# Altium PCB PCB1.PcbDoc (part 1 of 3)
Units mm, origin at the board's own origin, x right, y up, seen from the top; angles counter-clockwise.
Board outline 129 x 105 mm, 2 copper layers (Top Layer, Bottom Layer); 225 components, 151 nets, 690 pads, 891 vias.
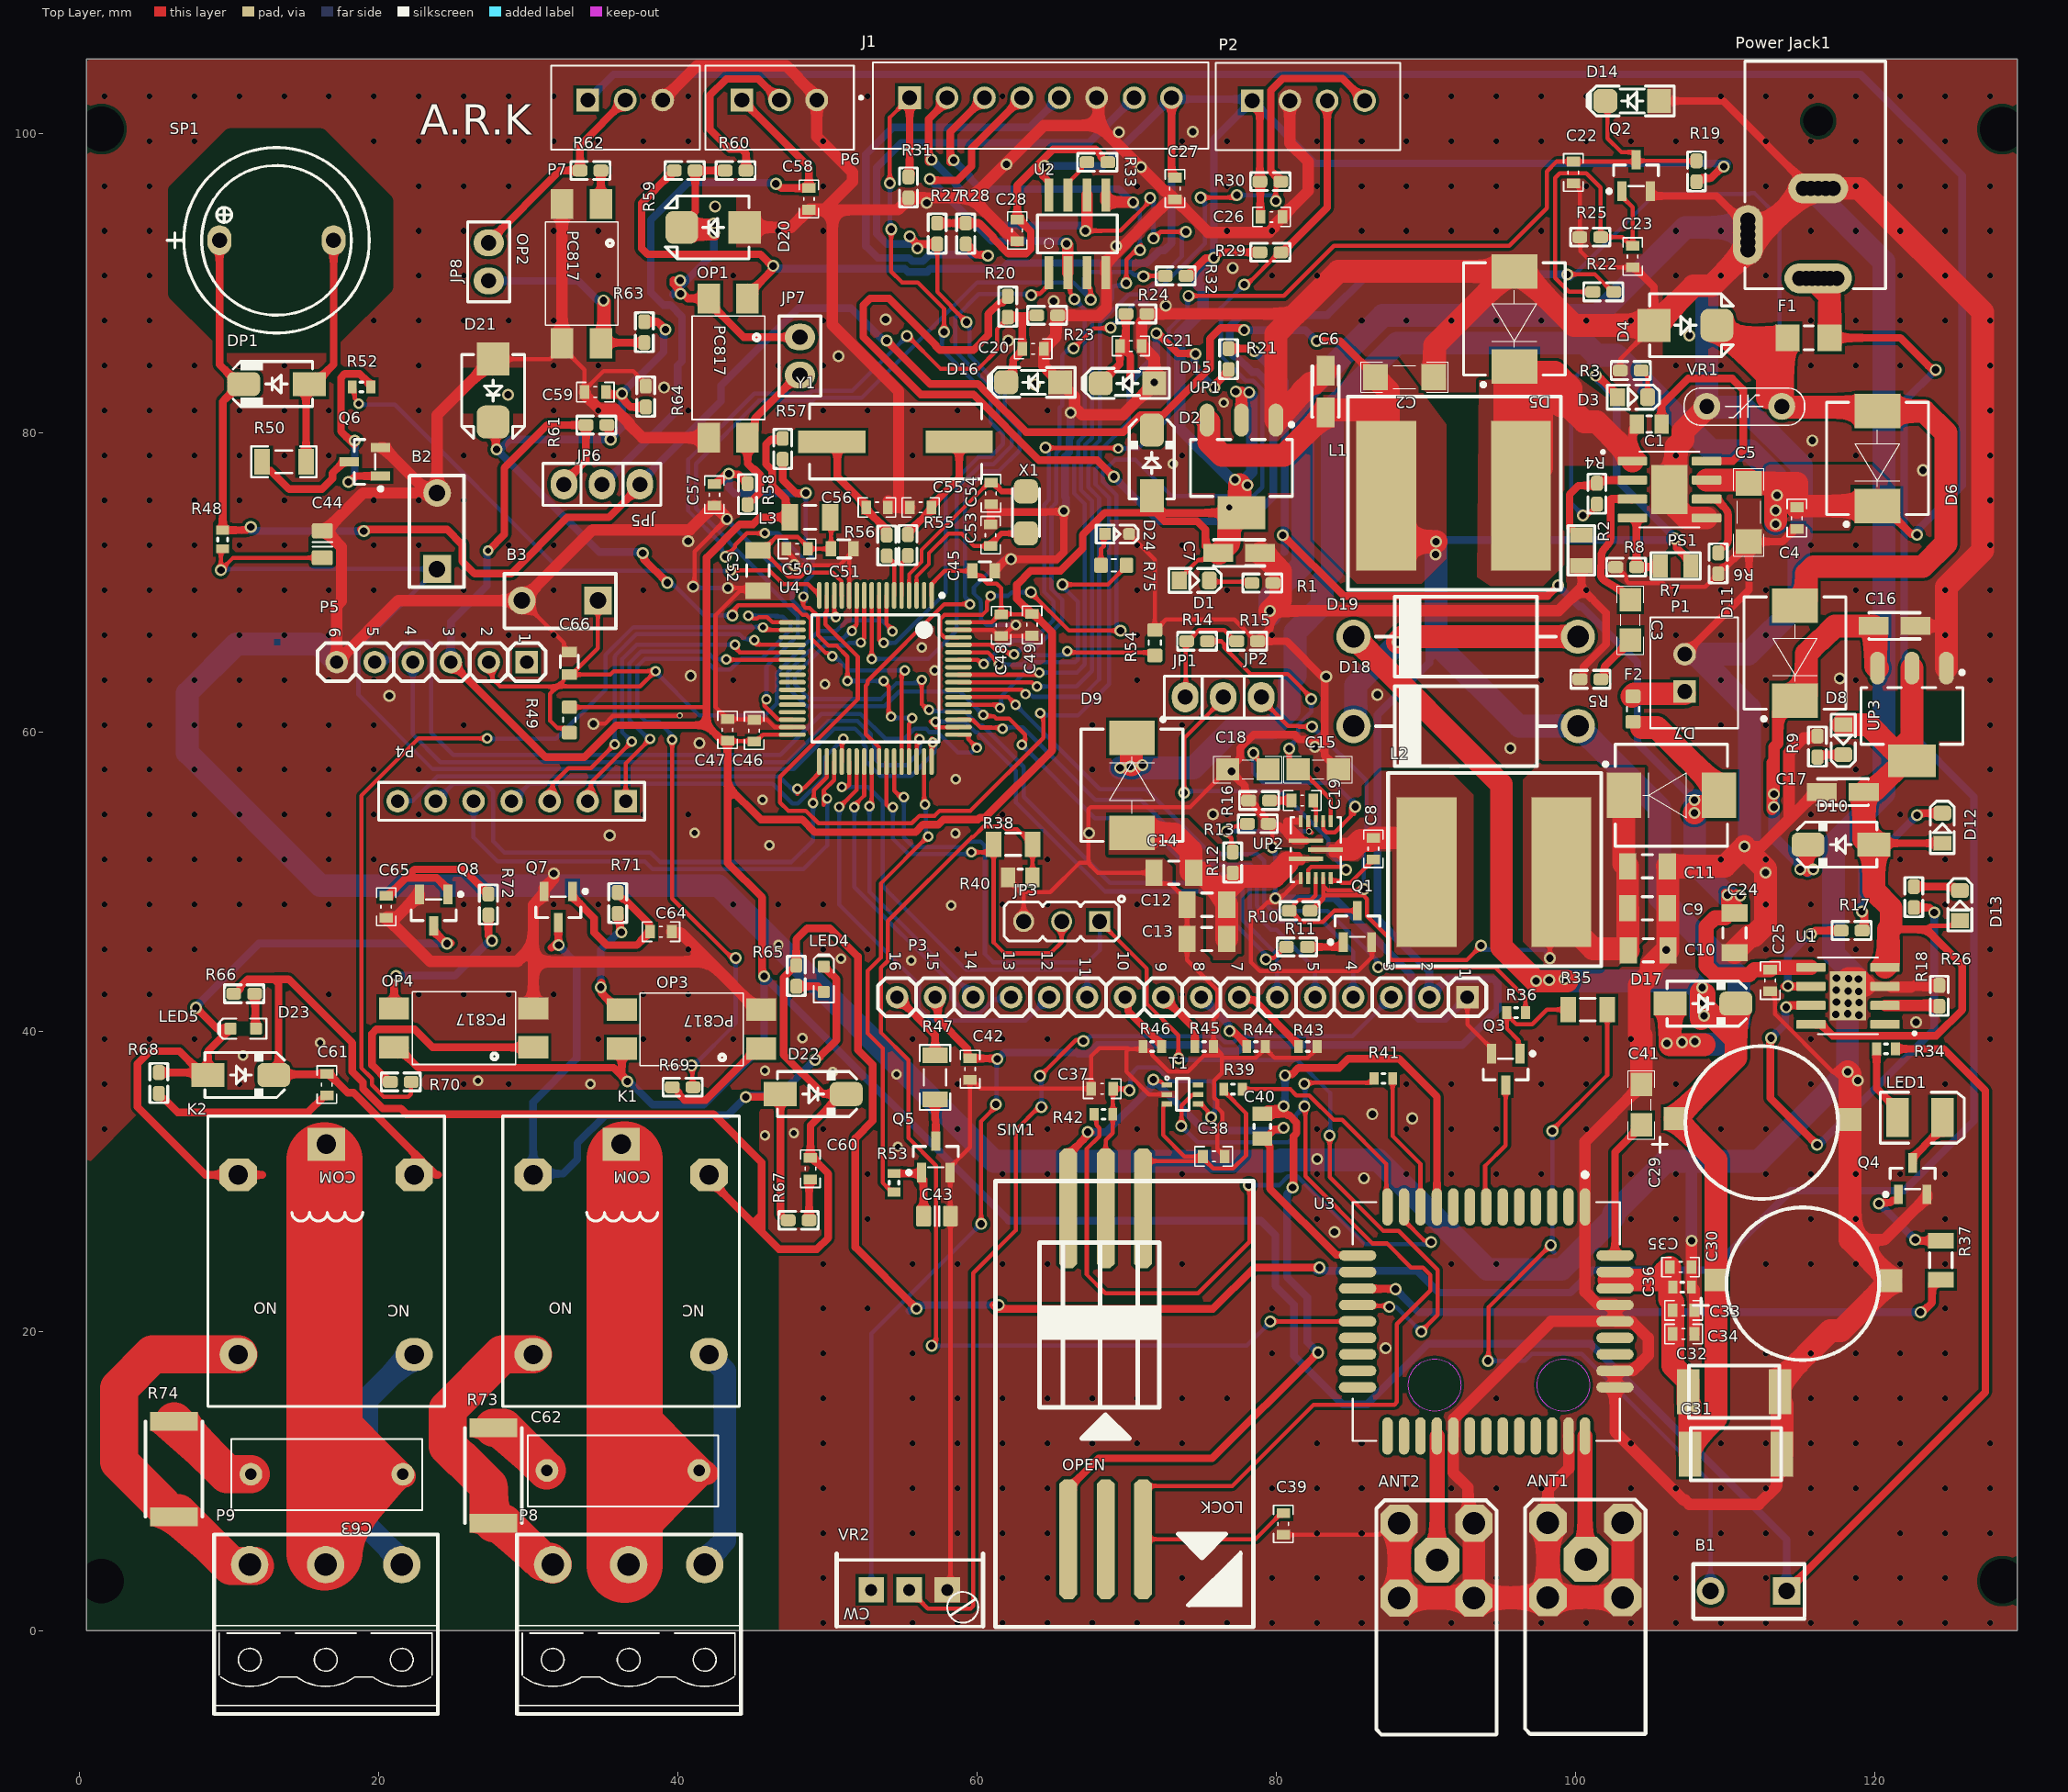
[diagram p0: Top Layer view]
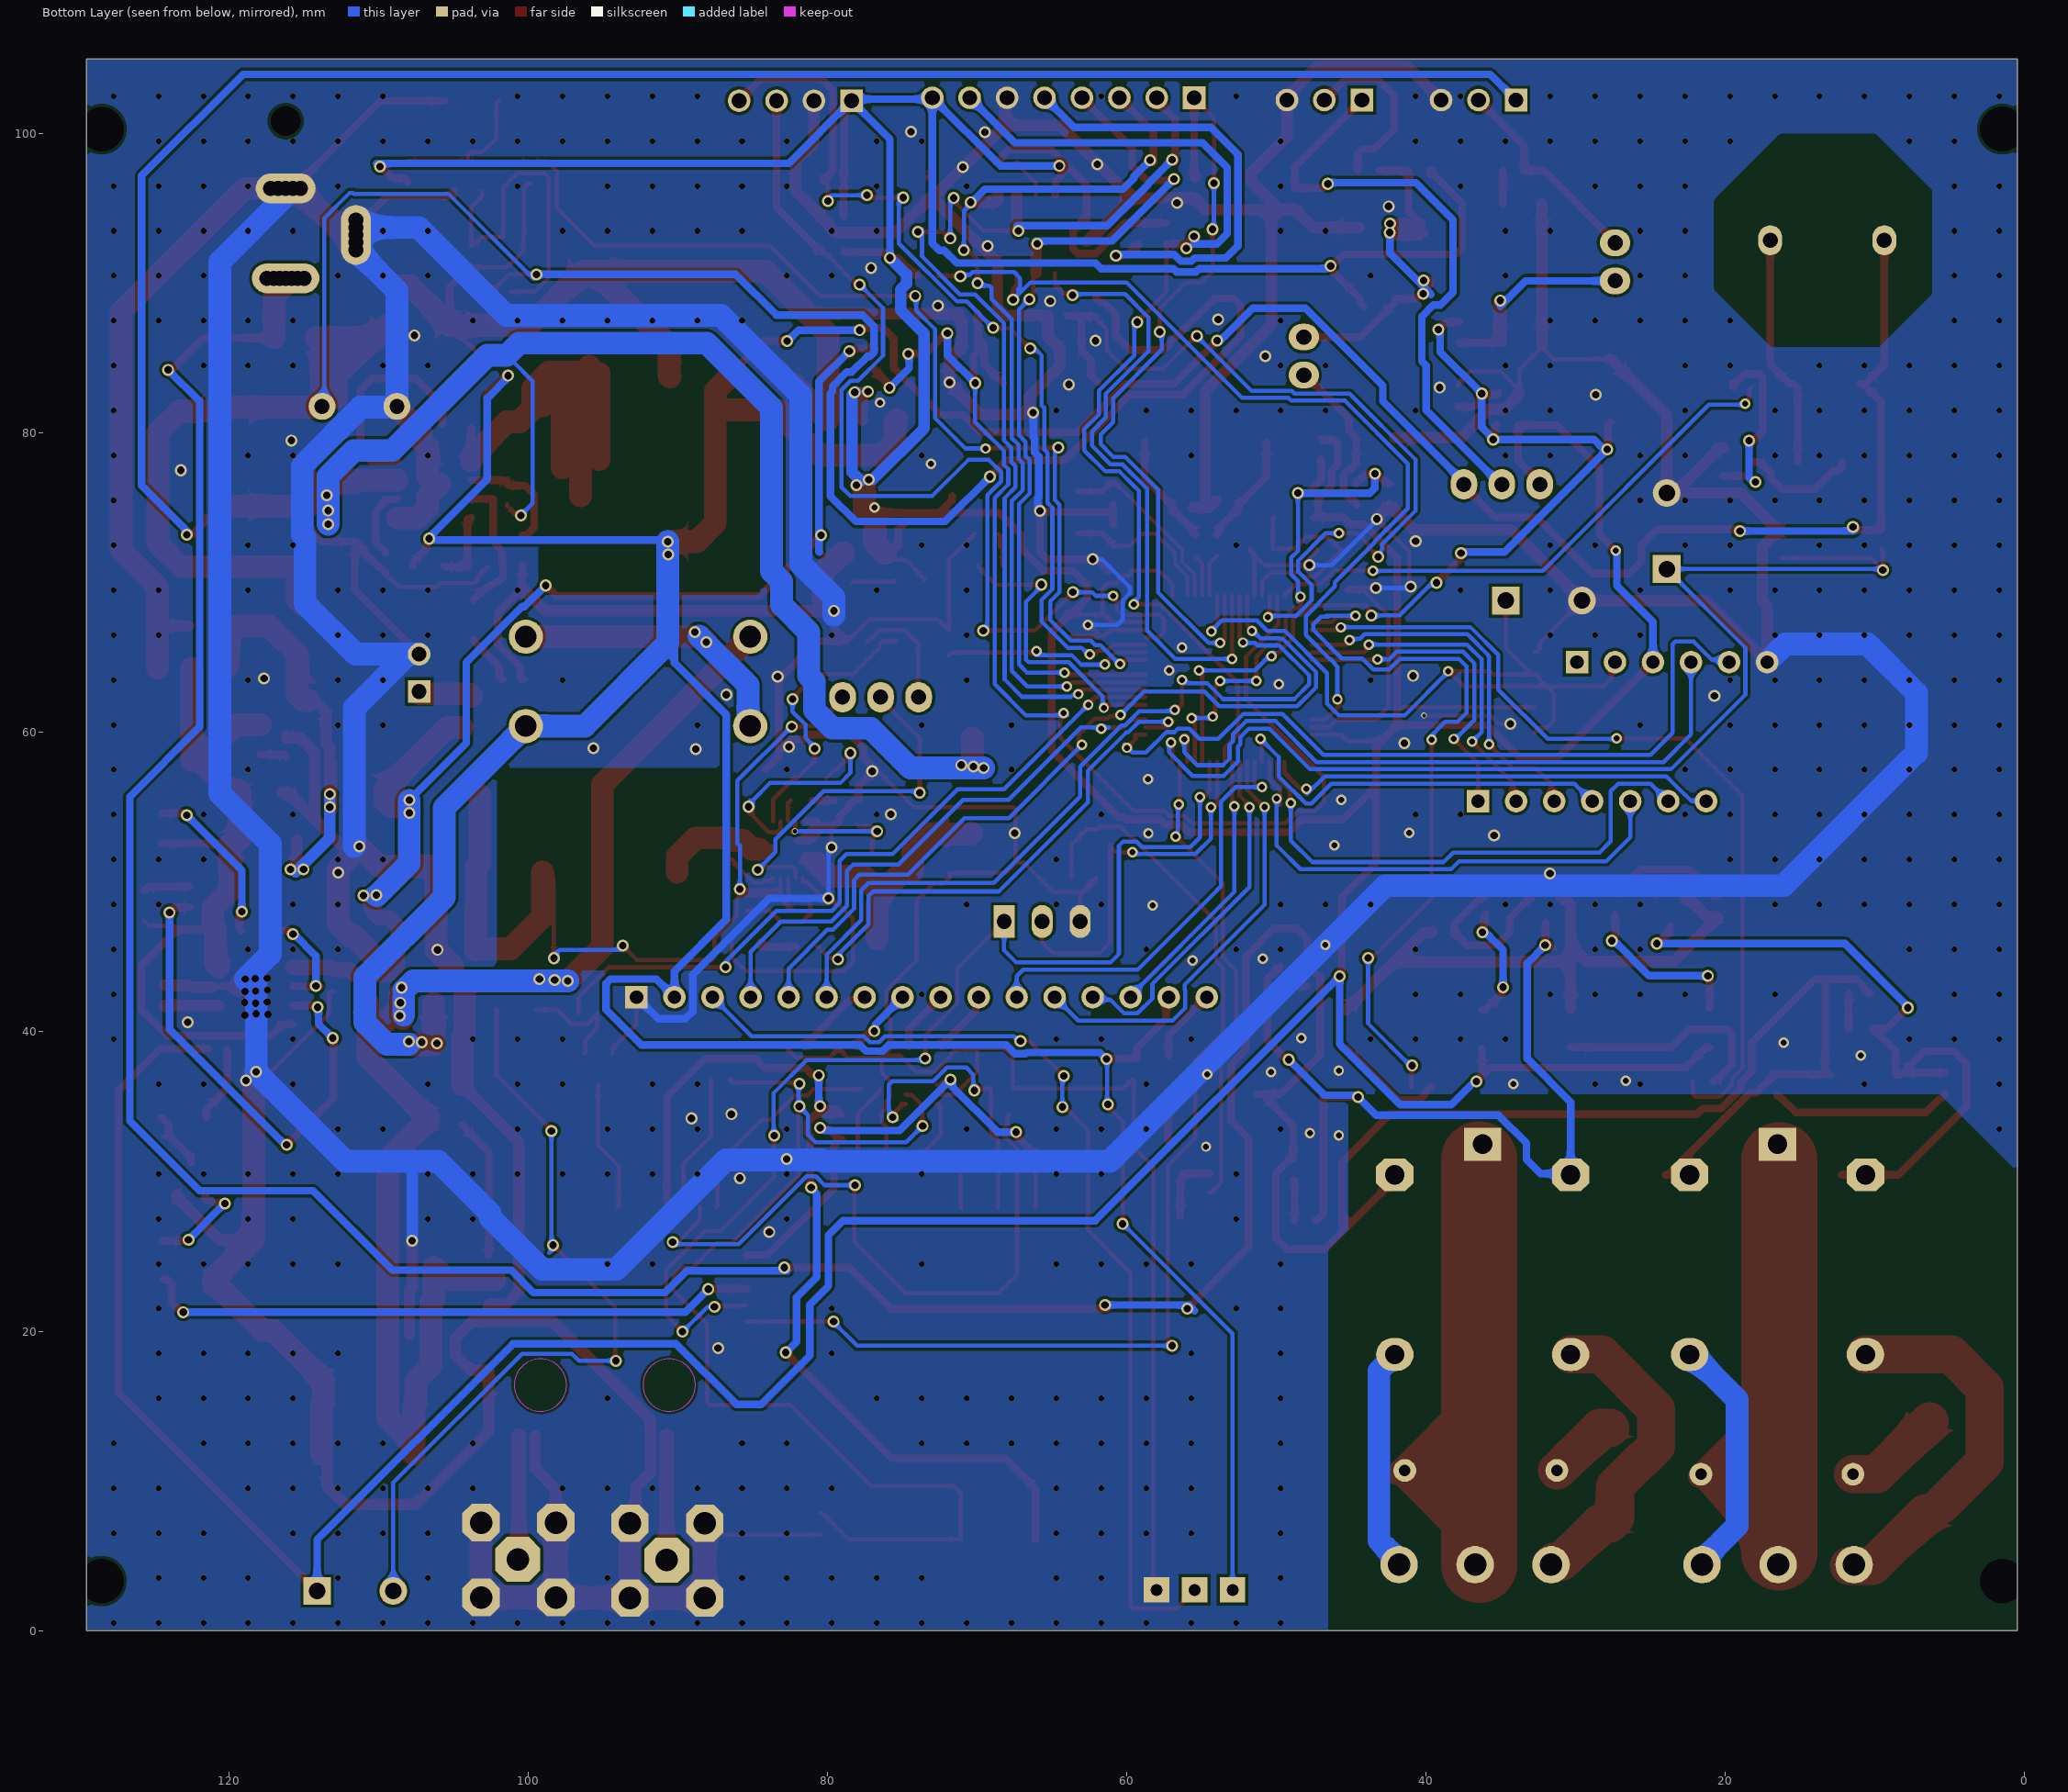
[diagram p1: Bottom Layer view, seen from below]

## Layer stack, top to bottom
Top Solder: solder mask 0.0102, Solder Resist, Dk 3.5
Top Layer: signal copper 0.0356
Dielectric 1: dielectric 0.32, FR-4, Dk 4.8
Bottom Layer: signal copper 0.0356
Bottom Solder: solder mask 0.0102, Solder Resist, Dk 3.5

## Board outline
0.5,0 0.5,105 129.5,105 129.5,0

## Design rules (kind name [scope] priority, off if disabled: settings)
Clearance [All] p1: gap=0.2 ignorepadtopadclearanceinfootprint=FALSE
DiffPairsRouting [All] p1: maxlimit=0.254 minlimit=0.254 mostfreqgap=0.254 toplayer_minwidth=0.381 toplayer_maxwidth=0.381 toplayer_prefwidth=0.381 bottomlayer_minwidth=0.381 bottomlayer_maxwidth=0.381 bottomlayer_prefwidth=0.381 maxuncoupledlength=12.7
PolygonConnect PolygonConnect_22 [All vs IsNamedPolygon('GND_L02_P013')] p1: connectstyle=Direct reliefconductorwidth=0.254 reliefentries=4 polygonreliefangle="90 Angle" airgapwidth=0.254
PolygonConnect PolygonConnect_21 [All vs IsNamedPolygon('GND_L01_P011')] p2: connectstyle=Direct reliefconductorwidth=0.254 reliefentries=4 polygonreliefangle="90 Angle" airgapwidth=0.254
PolygonConnect PolygonConnect_20 [All vs IsNamedPolygon('GND_L01_P012')] p3: connectstyle=Direct reliefconductorwidth=0.254 reliefentries=4 polygonreliefangle="90 Angle" airgapwidth=0.254
PolygonConnect PolygonConnect_19 [All vs IsNamedPolygon('GND_L01_P012')] p4: connectstyle=Direct reliefconductorwidth=0.254 reliefentries=4 polygonreliefangle="90 Angle" airgapwidth=0.254
PolygonConnect PolygonConnect_18 [All vs IsNamedPolygon('NETC12_2_L01_P008')] p5: connectstyle=Direct reliefconductorwidth=0.254 reliefentries=4 polygonreliefangle="90 Angle" airgapwidth=0.254
PolygonConnect PolygonConnect_17 [All vs IsNamedPolygon('NETC8_1_L01_P007')] p6: connectstyle=Direct reliefconductorwidth=0.254 reliefentries=4 polygonreliefangle="90 Angle" airgapwidth=0.254
PolygonConnect PolygonConnect_16 [All vs IsNamedPolygon('BOOST_IN_L01_P006')] p7: connectstyle=Direct reliefconductorwidth=0.254 reliefentries=4 polygonreliefangle="90 Angle" airgapwidth=0.254
PolygonConnect PolygonConnect_15 [All vs IsNamedPolygon('NETC1_2_L01_P002')] p8: connectstyle=Direct reliefconductorwidth=0.254 reliefentries=4 polygonreliefangle="90 Angle" airgapwidth=0.254
PolygonConnect PolygonConnect_14 [All vs IsNamedPolygon('+5V_SW_L01_P003')] p9: connectstyle=Direct reliefconductorwidth=0.254 reliefentries=4 polygonreliefangle="90 Angle" airgapwidth=0.254
PolygonConnect PolygonConnect_13 [All vs IsNamedPolygon('NETC1_2_L01_P002')] p10: connectstyle=Direct reliefconductorwidth=0.254 reliefentries=4 polygonreliefangle="90 Angle" airgapwidth=0.254
PolygonConnect PolygonConnect_12 [All vs IsNamedPolygon('GND_L01_P010')] p11: connectstyle=Direct reliefconductorwidth=0.254 reliefentries=4 polygonreliefangle="90 Angle" airgapwidth=0.254
PolygonConnect PolygonConnect_11 [All vs IsNamedPolygon('BOOST_IN_L02_P005')] p12: connectstyle=Direct reliefconductorwidth=0.254 reliefentries=4 polygonreliefangle="90 Angle" airgapwidth=0.254
PolygonConnect PolygonConnect_10 [All vs IsNamedPolygon('GND_L02_P009')] p13: connectstyle=Direct reliefconductorwidth=0.254 reliefentries=4 polygonreliefangle="90 Angle" airgapwidth=0.254
PolygonConnect PolygonConnect_9 [All vs IsNamedPolygon('NETC8_1_L01_P004')] p14: connectstyle=Direct reliefconductorwidth=0.254 reliefentries=4 polygonreliefangle="90 Angle" airgapwidth=0.254
PolygonConnect PolygonConnect_8 [All vs IsNamedPolygon('NETC8_1_L01_P004')] p15: connectstyle=Direct reliefconductorwidth=0.254 reliefentries=4 polygonreliefangle="90 Angle" airgapwidth=0.254
PolygonConnect PolygonConnect_7 [All vs IsNamedPolygon('BOOST_IN_L01_P003')] p16: connectstyle=Direct reliefconductorwidth=0.254 reliefentries=4 polygonreliefangle="90 Angle" airgapwidth=0.254
PolygonConnect PolygonConnect_6 [All vs IsNamedPolygon('+5V_SW_L01_P002')] p17: connectstyle=Direct reliefconductorwidth=0.254 reliefentries=4 polygonreliefangle="90 Angle" airgapwidth=0.254
PolygonConnect PolygonConnect_5 [All vs IsNamedPolygon('NETC1_2_L01_P001')] p18: connectstyle=Direct reliefconductorwidth=0.254 reliefentries=4 polygonreliefangle="90 Angle" airgapwidth=0.254
PolygonConnect PolygonConnect_4 [All vs IsNamedPolygon('Mechanical 13-No Net')] p19: connectstyle=Direct reliefconductorwidth=0.254 reliefentries=4 polygonreliefangle="90 Angle" airgapwidth=0.254
PolygonConnect PolygonConnect_3 [All vs IsNamedPolygon('Mechanical 13-No Net')] p20: connectstyle=Direct reliefconductorwidth=0.254 reliefentries=4 polygonreliefangle="90 Angle" airgapwidth=0.254
PolygonConnect PolygonConnect_2 [All vs IsNamedPolygon('Mechanical 13-No Net')] p21: connectstyle=Direct reliefconductorwidth=0.254 reliefentries=4 polygonreliefangle="90 Angle" airgapwidth=0.254
PolygonConnect PolygonConnect_1 [All vs IsNamedPolygon('Mechanical 13-No Net')] p22: connectstyle=Direct reliefconductorwidth=0.254 reliefentries=4 polygonreliefangle="90 Angle" airgapwidth=0.254
PolygonConnect [All] p23: connectstyle=Relief reliefconductorwidth=0.254 reliefentries=4 polygonreliefangle="90 Angle" airgapwidth=0.254
RoutingVias [All] p1: holewidth=0.711 width=1.27 viastyle="Through Hole" minholewidth=0.711 minwidth=1.27 maxholewidth=0.711 maxwidth=1.27
SolderMaskExpansion [All] p1: expansion=0.102 istentingtop=FALSE
Width [All] p1: maxlimit=1.524 minlimit=0.279 preferedwidth=0.254
29 further rules are at their usual default settings.

## Classes and differential pairs
component class Sheet1: C60 C61 C62 C63 C64 C65 D22 D23 K1 K2 LED4 LED5 OP3 OP4 P8 P9 Q7 Q8 R R65 R66 R67 R68 R69 R70 R71 R72 R73 R74
component class ui: B2 C42 C43 C44 D24 DP1 P3 P4 Q5 Q6 R43 R44 R45 R46 R47 R48 R50 R52 R53 R75 SP1 VR2
component class Sheet7: C26 C27 C28 J1 P2 R27 R28 R29 R30 R31 R32 R33 U2
component class Sheet2: C57 C58 C59 D20 D21 JP5 JP6 JP7 JP8 OP1 OP2 P6 P7 R57 R58 R59 R60 R61 R62 R63 R64
component class power: C1 C2 C3 C4 C5 C6 C7 C8 C9 C10 C11 C12 C13 C14 C15 C16 C17 C18 C19 C20 C21 C22 C23 C24 C25 D1 D2 D3 D4 D5 D6 D7 D8 D9 D10 D11 D12 D13 D14 D15 D16 F1 F2 JP1 JP2 L1 L2 P1 "Power Jack1" PS1 Q1 Q2 R1 R2 R3 R4 R5 R6 R7 R8 R9 R10 R11 R12 R13 R14 R15 R16 R17 R18 R19 R20 R21 R22 R23 R24 R25 R26 U1 UP1 UP2 UP3 VR1
component class mcu: B3 C45 C46 C47 C48 C49 C50 C51 C52 C53 C54 C55 C56 C66 L3 P5 R49 R54 R55 R56 U4 X1 Y1
component class gsm: ANT1 ANT2 B1 C29 C30 C31 C32 C33 C34 C35 C36 C37 C38 C39 C40 C41 D17 D18 D19 JP3 LED1 Q3 Q4 R34 R35 R36 R37 R38 R39 R40 R41 R42 SIM1 T1 U3
differential pair OSC_32: +OSC_32_P -OSC_32_N
differential pair OSC: +OSC_P -OSC_N

## Components (designator, comment, footprint, x,y, rotation, side; value= is the part's Value field where it differs from the comment)
ANT1 "SIM20_ANT" MY_SIM20_ANT 100.622,4.743 r0 top
ANT2 "SIM20_ANT" MY_SIM20_ANT 90.678,4.699 r0 top
B1 "P BUTTON" MY_SPST-0.5 111.557,2.642 r180 top
B2 "P BUTTON" MY_SPST-0.5 23.927,73.457 r90 top
B3 "P BUTTON" MY_SPST-0.5 32.131,68.809 r180 top
C1 "100nF" Cap-0805 104.915,80.594 r180 top
C2 "22pF" CAPC4817X12N 88.57,83.744 r180 top
C3 "150pF" CAPC3413X12N 103.657,67.513 r270 top
C4 "100NF" CAP0603 114.783,74.32 r90 top value=100nF
C5 "10uF" CAPC4817X12N 111.582,74.701 r90 top
C6 "10uF" Cap_A 83.285,82.769 r270 top
C7 "22uF" Cap_A 77.521,71.984 r180 top
C8 "100NF" CAP0603 86.487,52.222 r270 top value=100nF
C9 "22uF" Cap1206_(3216X15L) 104.8,48.247 r180 top value=100nF
C10 "22uF" Cap1206_(3216X15L) 104.851,45.441 r180 top value=100nF
C11 "22uF" Cap1206_(3216X15L) 104.8,51.054 r180 top value=100nF
C12 "22uF" Cap1206_(3216X15L) 75.366,48.489 r0 top value=100nF
C13 "22uF" Cap1206_(3216X15L) 75.362,46.203 r0 top value=100nF
C14 "22uF" Cap1206_(3216X15L) 73.152,50.622 r0 top value=100nF
C15 "4.7uF" CAPC3413X12N 82.804,57.531 r180 top
C16 "10uF" Cap_A 121.31,67.107 r180 top
C17 "22uF" Cap_A 117.856,56.007 r0 top
C18 "22nF" CAPC3413X12N 78.105,57.531 r0 top
C19 "6.8nF" CAP0603 81.737,55.448 r0 top value=100nF
C20 "100NF" CAP0603 63.754,85.623 r180 top value=100nF
C21 "100NF" CAP0603 70.278,85.814 r180 top value=100nF
C22 "1uF" CAP0603 99.847,97.41 r90 top value=100nF
C23 "100NF" CAP0603 103.81,91.796 r90 top value=100nF
C24 "22uF" Cap1206_(3216X15L) 110.617,46.609 r90 top value=100nF
C25 "100NF" CAP0603 113,43.425 r90 top value=100nF
C26 "100NF" CAP0603 79.679,94.437 r180 top value=100nF
C27 "100NF" CAP0603 73.228,96.338 r90 top value=100nF
C28 "100NF" CAP0603 62.688,93.539 r90 top value=100nF
C29 "470uF" "MY_Cap1000u -smd" 114.833,34.138 r180 top
C30 "100uF" "MY_Cap1000u -smd" 117.577,23.368 r180 top
C31 "1000uF" MY_CAP_SMD-C 110.439,11.684 r0 top value=3300u
C32 "1000uF" MY_CAP_SMD-C 110.312,15.85 r0 top value=3300u
C33 "100NF" CAP0603 107.213,21.387 r180 top value=100nF
C34 "100NF" CAP0603 107.213,19.812 r180 top value=100nF
C35 "33pF" CAP0603 107.01,24.282 r180 top value=100nF
C36 "10pF" Cap-0603 107.112,22.936 r0 top value=100nF
C37 "33pF" CAP0603 68.365,36.195 r0 top value=100nF
C38 "33pF" CAP0603 75.819,31.674 r180 top value=100nF
C39 "33pF" CAP0603 80.467,7.124 r90 top value=100nF
C40 "100nF" Cap-0805 79.07,33.68 r270 top
C41 "4.7uF" CAPC3413X12N 104.394,35.128 r90 top
C42 "100NF" CAP0603 59.538,37.504 r90 top value=100nF
C43 "approved sub OK" CAPC2012X135N 57.328,27.686 r180 top value=100n
C44 "approved sub OK" CAPC2012X135N 16.256,72.568 r270 top value=100n
C45 "4.7uF" MY_CAP_SMD_0603 60.427,70.79 r180 top
C46 "100NF" CAP0603 45.11,60.122 r270 top value=100nF
C47 "100NF" CAP0603 43.332,60.173 r270 top value=100nF
C48 "100NF" CAP0603 61.62,67.158 r90 top value=100nF
C49 "100NF" CAP0603 63.678,67.183 r90 top value=100nF
C50 "100NF" CAP0603 47.981,72.263 r0 top value=100nF
C51 "10nF" MY_CAP_SMD_0603 51.003,72.263 r180 top
C52 "1uF" MY_CAP_SMD_1206 45.364,70.815 r90 top
C53 "12pF" CAP0603 60.909,73.177 r270 top value=100nF
C54 "12pF" CAP0603 60.935,75.971 r90 top value=100nF
C55 "22pF" CAP0603 56.236,75.032 r0 top value=100nF
C56 "22pF" CAP0603 53.315,75.032 r180 top value=100nF
C57 "1uf" CAP0603 42.454,75.877 r90 top value=100nF
C58 "100NF" CAP0603 48.773,95.639 r90 top value=100nF
C59 "1uf" CAP0603 34.498,82.739 r0 top value=100nF
C60 "100NF" CAP0603 48.87,30.849 r90 top value=100nF
C61 "100NF" CAP0603 16.561,36.474 r90 top value=100nF
C62 "100nF" "Cap - 10nF - 630V" 31.267,10.693 r0 top
C63 "100nF" "Cap - 10nF - 630V" 11.481,10.439 r0 top
C64 "100NF" CAP0603 38.887,46.685 r180 top value=100nF
C65 "100NF" CAP0603 20.523,48.35 r90 top value=100nF
C66 "100NF" MY_CAP_SMD_0603 32.766,64.618 r270 top
D1 "RED LED" "LED SMD 0805 (Red)" 74.524,70.155 r0 top
D2 "1n5819 SMD SS31" D_SMA 71.679,78.003 r90 top value=1N5819
D3 "RED LED" "LED SMD 0805 (Red)" 103.81,82.398 r0 top
D4 "SMBJ12A-TR SMD" D_SMB 107.34,87.198 r0 top value=SMBJ12A
D5 "1n5822" DIOM7568X24N 95.91,87.63 r90 top
D6 "1n5822" DIOM7568X24N 120.17,78.3 r90 top
D7 "1n5822" DIOM7568X24N 106.401,55.804 r0 top
D8 "RED LED" "LED SMD 0805 (Red)" 117.881,59.512 r270 top
D9 "1n5822" DIOM7568X24N 70.358,56.464 r270 top
D10 "1n5819 SMD SS31" D_SMA 117.729,52.502 r180 top value=1N5819
D11 "1n5822" DIOM7568X24N 114.656,65.303 r90 top
D12 "RED LED" "LED SMD 0805 (Red)" 124.5,53.6 r90 top
D13 "GREEN LED" "LED SMD 0805 (Green)" 125.679,48.438 r90 top
D14 "5Z1" D_SOD80 103.784,102.184 r180 top value="3V6 Zener"
D15 "5Z1" D_SOD80 70.053,83.314 r180 top value="3V6 Zener"
D16 "5Z1" D_SOD80 63.754,83.388 r180 top value="3V6 Zener"
D17 "1N4007 SMD M7" D_SMA 108.509,41.885 r0 top value=1N4007
D18 "IN5822 THD" BYW98 92.659,60.427 r180 top value=IN5822
D19 "IN5822 THD" BYW98 92.659,66.396 r180 top value=IN5822
D20 "SMBJ12A-TR SMD" D_SMB 42.373,93.739 r180 top value=SMBJ12A
D21 "SMBJ12A-TR SMD" D_SMB 27.673,82.839 r270 top value=SMBJ12A
D22 "1n5819 SMD SS31" D_SMA 49.063,35.839 r0 top value=1N5819
D23 "1n5819 SMD SS31" D_SMA 10.811,37.109 r0 top value=1N5819
D24 "LED SMD 0603" "LED SMD 0603 2 (Green)" 69.367,73.254 r0 top
DP1 "1N5819" 430X270D 13.198,83.275 r180 top
F1 "FUSE SMD" 8-1206 115.57,86.36 r180 top
F2 "3A" RESC1608X55N 103.835,61.556 r270 top
J1 "B8B-XH-A" JST_B8B-XH-A 64.25,101.875 r180 top
JP1 "Jumper" "Jumper Small - 2.54 - GRAY" 75.184,62.357 r180 top
JP2 "Jumper" "Jumper Small - 2.54 - GRAY" 77.724,62.357 r180 top
JP3 "HDR_BUSEL" HDR_1x3 65.659,47.371 r180 top
JP5 "Jumper" "Jumper Small - 2.54 - GRAY" 33.673,76.574 r180 top
JP6 "Jumper" "Jumper Small - 2.54 - GRAY" 36.213,76.574 r0 top
JP7 "Jumper" "Jumper Small - 2.54 - GRAY" 48.173,85.139 r270 top
JP8 "Jumper" "Jumper Small - 2.54 - GRAY" 27.373,91.439 r270 top
K1 "" "Relay 18.85x15.35x15.70" 36.22,25.465 r180 top
K2 "" "Relay 18.85x15.35x15.70" 16.518,25.465 r180 top
L1 "22uH" INDUCTOR_SMD_3A 91.719,76.098 r0 top
L2 "1.5uH" INDUCTOR_SMD_3A 94.412,50.952 r0 top
L3 "10uH" INDC3216 48.844,74.371 r180 top
LED1 "LED SMD" MY_LED_SMD 123.012,34.265 r0 top
LED4 "Green" LED-0603-GREEN 49.759,43.51 r90 top
LED5 "Green" LED-0603-GREEN 10.973,40.208 r180 top
OP1 "PC817" "PC817 SMD" 43.373,84.339 r270 top
OP2 "PC817" "PC817 SMD" 33.573,90.639 r270 top
OP3 "PC817" "PC817 SMD" 40.919,40.183 r180 top
OP4 "PC817" "PC817 SMD" 25.705,40.259 r180 top
P1 "XH 2" "XH 2 PIN ( White )" 107.29,63.977 r90 top
P2 "XH 4" "XH 4 PIN" 79.65,102.2 r0 top
P3 "MHDR_1X16" MHDR1X16-254P 92.761,42.316 r180 top
P4 "Header 7" HDR1X7 36.525,55.397 r180 top
P5 "MHDR_1X06" MHDR1X06-254P 29.921,64.694 r180 top
P6 "XH 3" "XH 3 PIN" 45.55,102.246 r0 top
P7 "XH 3" "XH 3 PIN" 35.25,102.246 r0 top
P8 "Phoenix 3" PRKR3A 36.728,4.394 r270 top
P9 "Phoenix 3" PRKR3A 16.485,4.394 r270 top
"Power Jack1" "Power Jack." "Power Jack." 116.258,100.822 r270 top
PS1 "MP4462DN" SOIC127P600X170-9N 106.274,76.225 r0 top
Q1 "OPN" SOT23_N 85.42,47.041 r90 top
Q2 "BC817" SOT23_N 104.038,97.206 r90 top
Q3 "C945" SOT23_N 95.326,37.49 r270 top
Q4 "C945" SOT23_N 122.519,30.184 r90 top
Q5 "C945" SOT23_N 57.252,31.648 r90 top
Q6 "C945" SOT23_N 19.101,78.075 r180 top
Q7 "C945" SOT23_N 32.029,48.336 r270 top
Q8 "C945" SOT23_N 23.698,48.133 r270 top
R1 "1K" R0603 79.07,69.977 r0 top
R2 "17K4" SMD-0805-RES 100.381,72.161 r0 top
R3 "1K" R0603 103.683,84.176 r180 top
R4 "100K" R0603 101.422,75.946 r90 top
R5 "100K" R0603 100.99,63.551 r180 top
R6 "200K" R0603 109.525,71.298 r270 top
R7 "215K 1%" SMD-0805-RES 106.68,71.12 r90 top
R8 "40K2" R0603 103.378,71.044 r0 top value="40K2 1%"
R9 "1K" R0603 116.154,59.055 r90 top
R10 "10k" R0603 81.559,48.082 r180 top
R11 "10k" R0603 81.382,45.669 r180 top
R12 "750K" R0603 77.089,51.308 r270 top
R13 "75K" R0603 78.765,53.899 r180 top
R14 "130K" R0603 74.701,66.091 r0 top
R15 "20K" R0603 78.054,66.091 r180 top
R16 "100K" R0603 78.853,55.448 r180 top value=6K8
R17 "1K" R0603 118.44,46.761 r180 top
R18 "1K" R0603 122.6,49 r270 top
R19 "10K" R0603 108.077,97.485 r90 top
R20 "33K" R0603 62.052,88.443 r270 top
R21 "3K3" R0603 76.81,84.943 r270 top
R22 "100K" R0603 101.854,89.433 r0 top
R23 "10K" R0603 64.694,87.859 r0 top
R24 "10K" R0603 70.653,87.964 r0 top
R25 "100K" R0603 100.976,93.091 r180 top
R26 "3K3" R0603 124.3,42.4 r270 top
R27 "10K" R0603 57.342,93.326 r90 top value=1K
R28 "10K" R0603 59.25,93.326 r90 top value=1K
R29 "4K7" R0603 79.604,92.075 r0 top
R30 "4K7" R0603 79.604,96.799 r180 top
R31 "10K" R0603 55.423,96.413 r90 top value=1K